# Altium PCB PCB1.PcbDoc
Units mil, origin at the board's own origin, x right, y up, seen from the top; angles counter-clockwise.
Board outline 3384.97 x 2322.04 mil, 2 copper layers (Top Layer, Bottom Layer); 54 components, 38 nets, 165 pads, 33 vias.
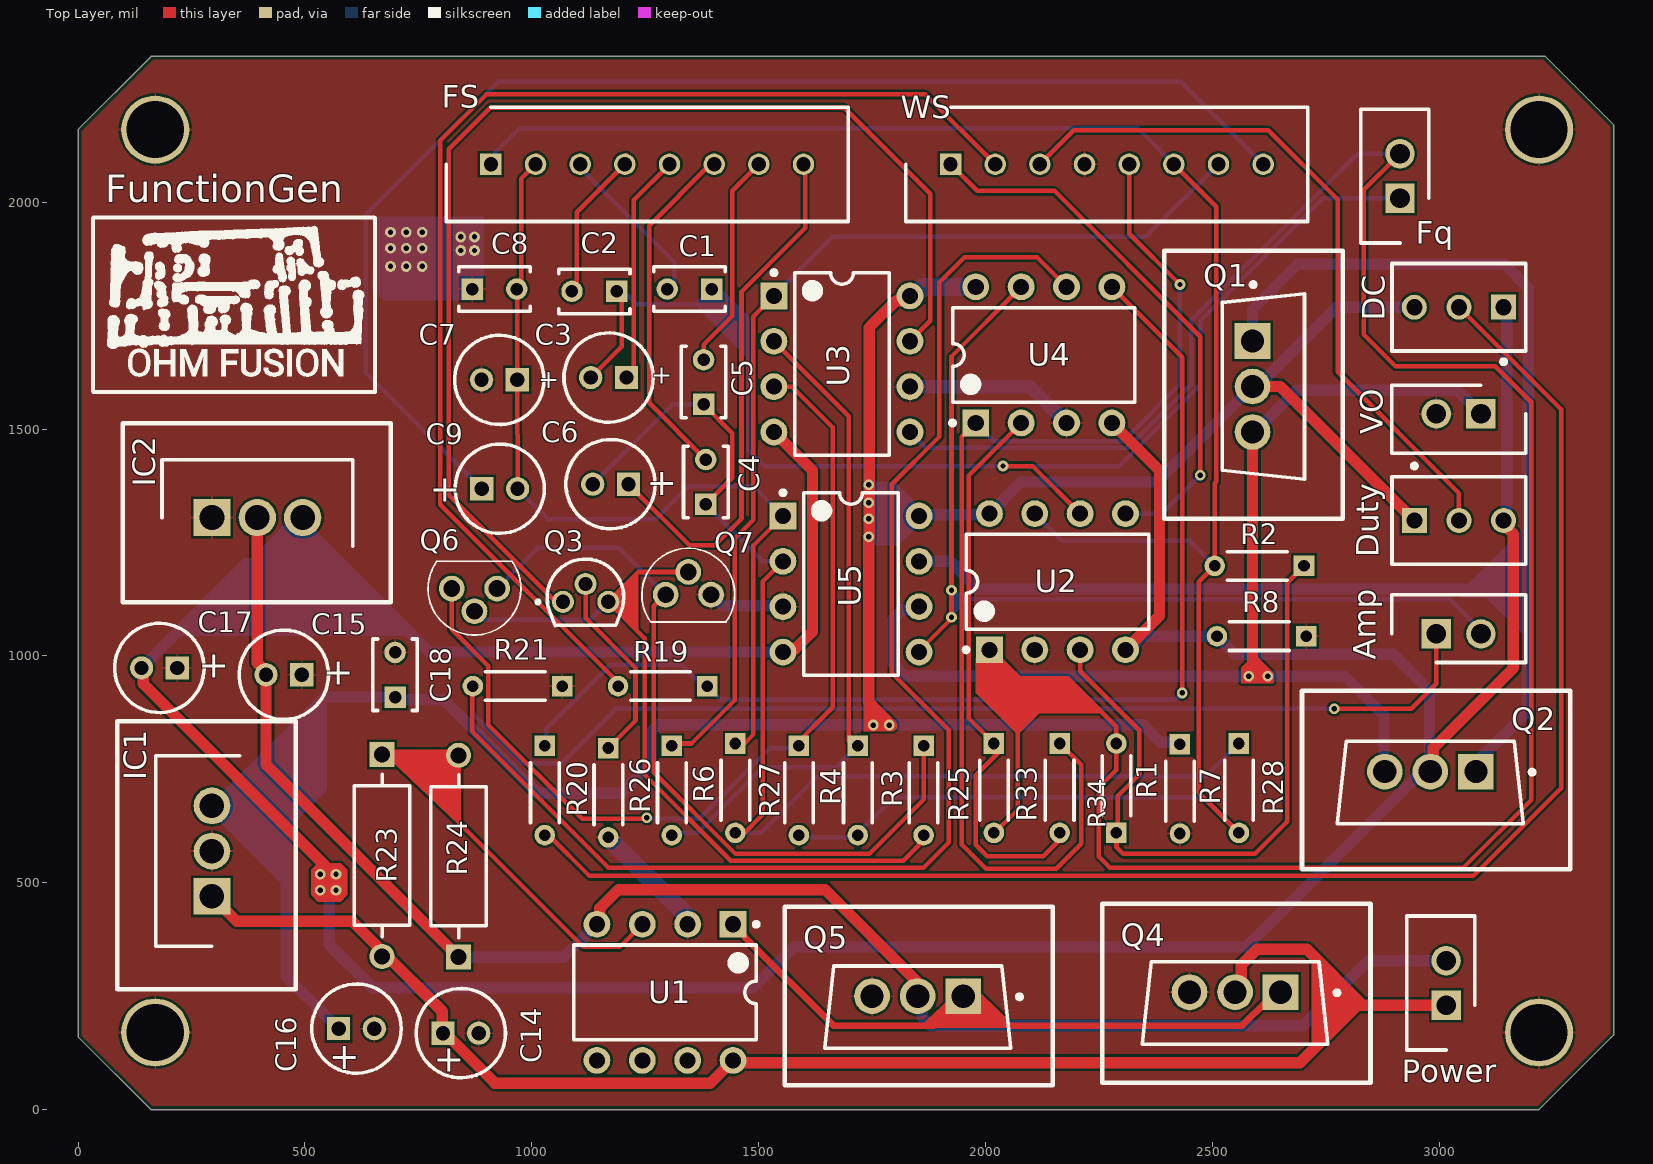
[diagram p0: Top Layer view]
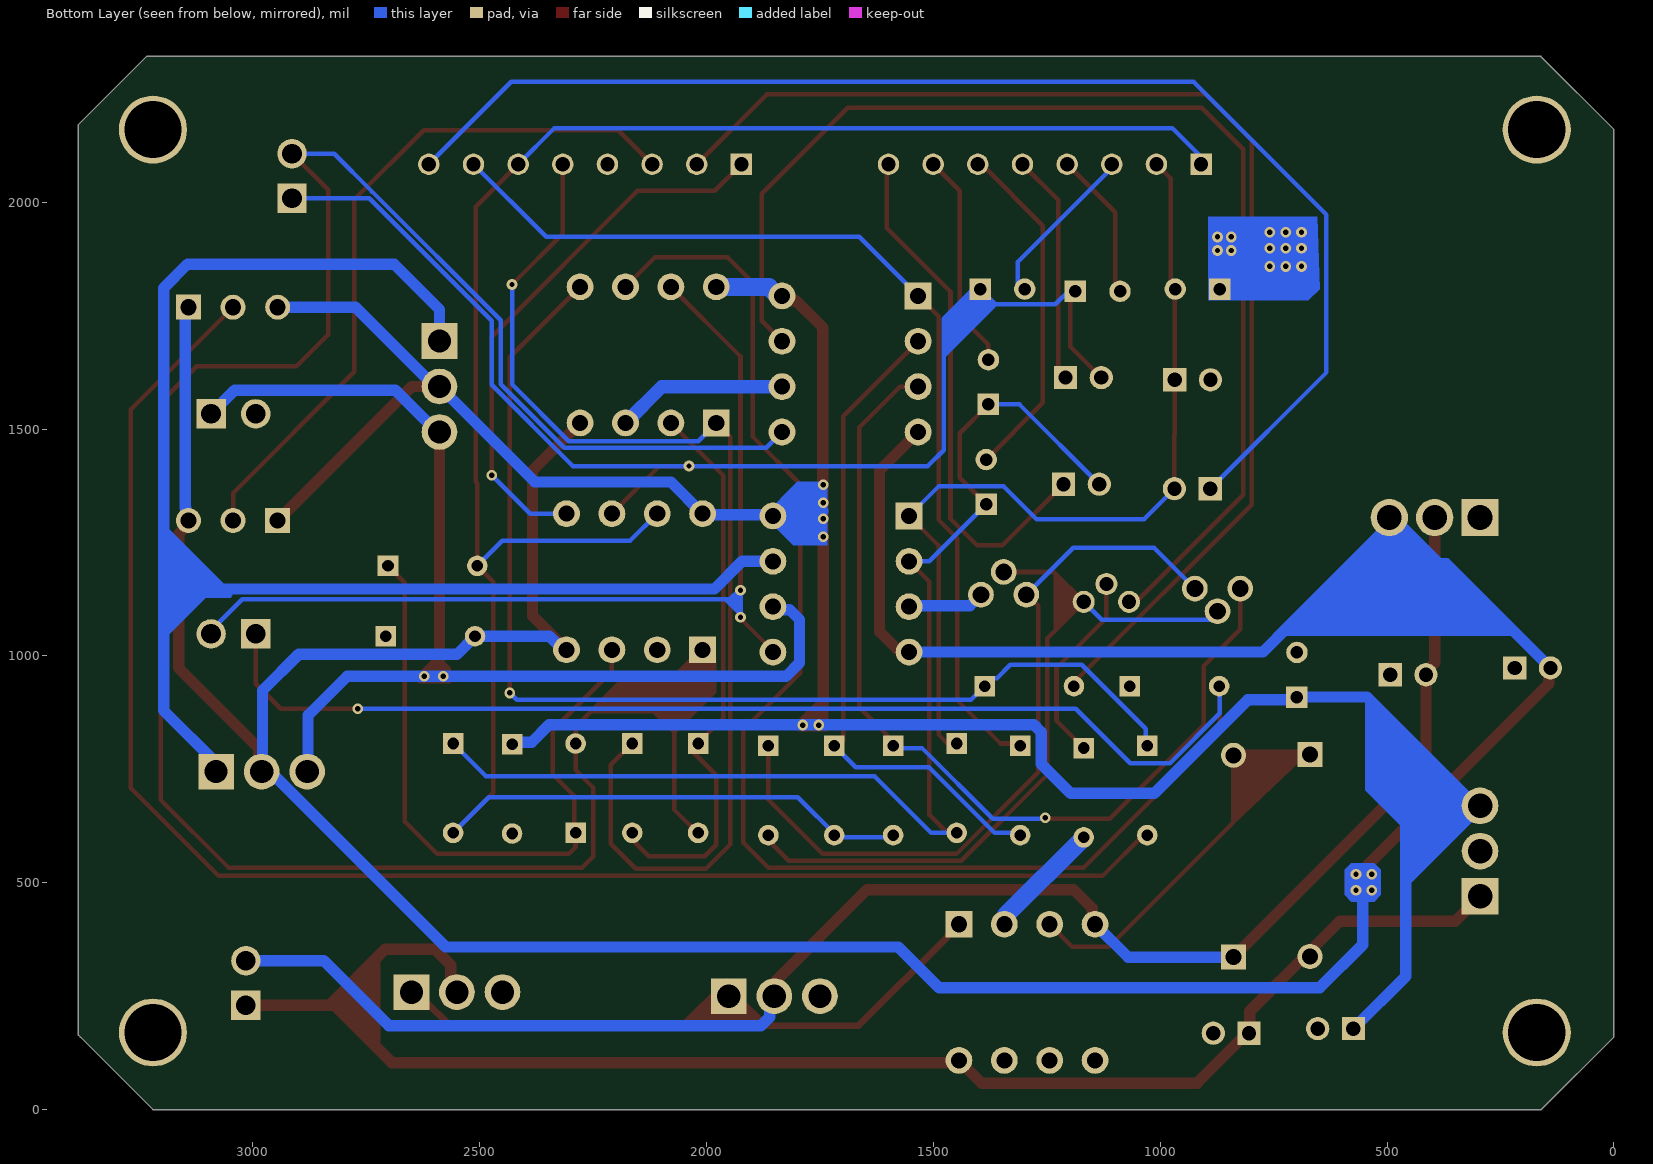
[diagram p1: Bottom Layer view, seen from below]
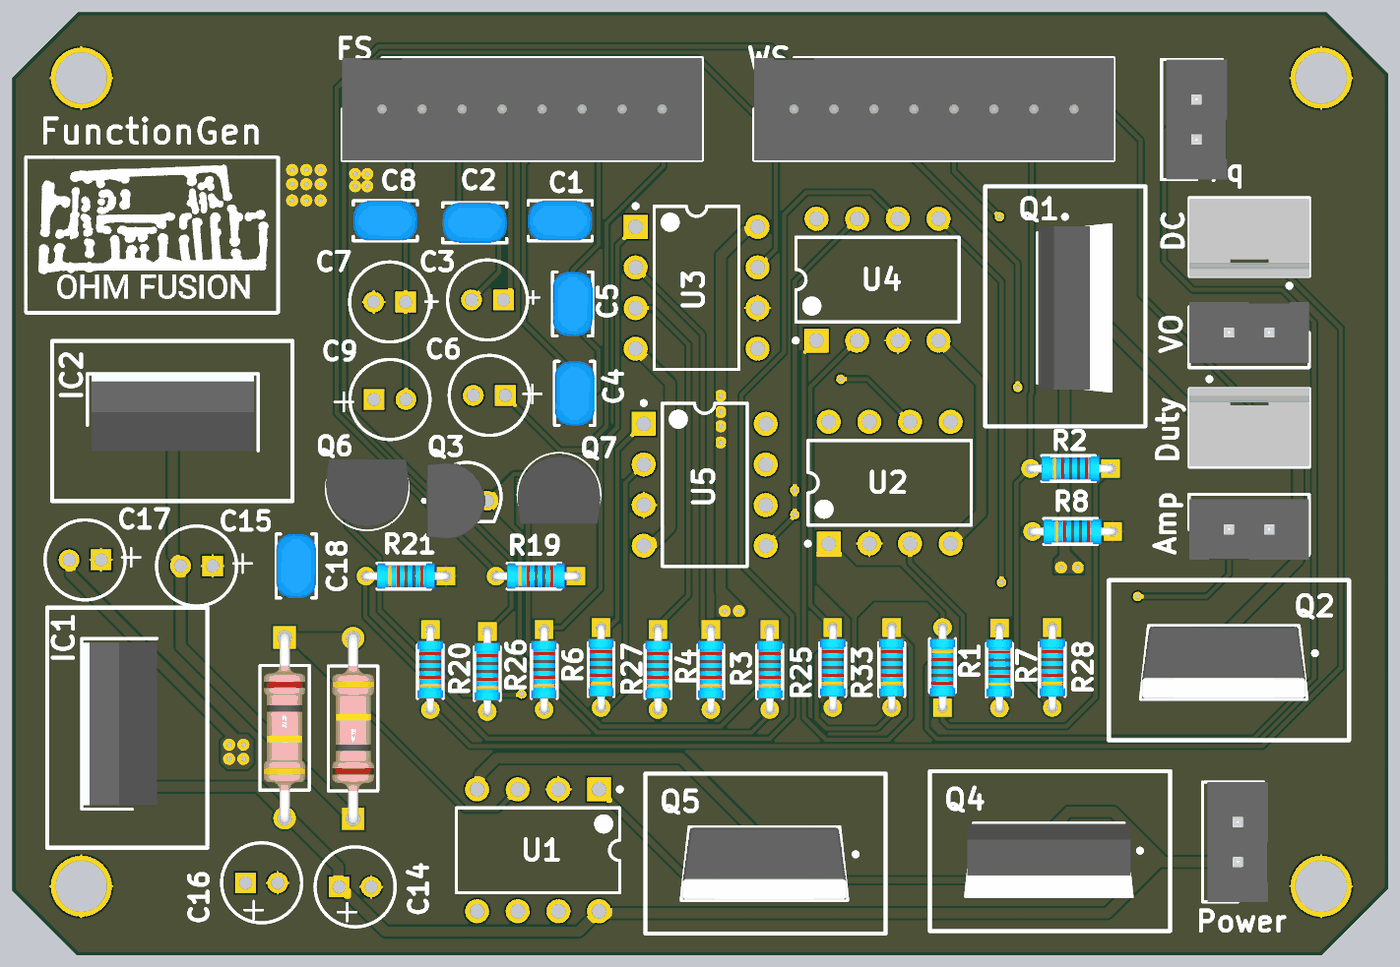
[diagram p2: 3D render of the assembled board from above, using the file's embedded part models]

## Layer stack, top to bottom
Top Solder: solder mask 0.4, Solder Resist, Dk 3.5
Top Layer: signal copper 1.4
Dielectric 1: dielectric 12.6, FR-4, Dk 4.8
Bottom Layer: signal copper 1.4
Bottom Solder: solder mask 0.4, Solder Resist, Dk 3.5

## Board outline
0,160 160,0 3220,0 3380,160 3384.97,164.95 3384.97,2170.03 3232.96,2322.04 160.89,2322.04 160,2320 0,2160

## Design rules (kind name [scope] priority, off if disabled: settings)
BoardOutlineClearance [All] p1: gap=7.87 ignorepadtopadclearanceinfootprint=FALSE
Clearance [All] p1: gap=5 ignorepadtopadclearanceinfootprint=FALSE except(9.84: Arc-Hole Track-Hole SMDPad-Hole THPad-Hole Via-Hole Fill-Hole Poly-Hole Region-Hole Text-Hole)
ComponentClearance [All] p1: gap=5 collisioncheckmode=3 verticalgap=5 showdistances=TRUE
DiffPairsRouting [All] p1: maxlimit=10 minlimit=5 mostfreqgap=5 toplayer_minwidth=5 toplayer_maxwidth=1000 toplayer_prefwidth=5 bottomlayer_minwidth=5 bottomlayer_maxwidth=1000 bottomlayer_prefwidth=5 maxuncoupledlength=500
Height [All] p1: minheight=0 maxheight=71497.94 prefheight=500
HoleSize [All] p1: absolutevalues=TRUE maxlimit=248.03 minlimit=11.81 maxpercent=80.000 minpercent=20.000
HoleToHoleClearance [All] p1: gap=9.84 allowstackedmicrovias=FALSE
MinimumAnnularRing [All] p1: minimumring=3
MinimumSolderMaskSliver [All] p1: minsoldermaskwidth=0
PlaneClearance [All] p1: clearance=5
PlaneConnect PlaneConnectPowerPads [InPadClass('PowerPads')] p1: planeconnectstyle=Direct reliefexpansion=20 reliefentries=4 reliefconductorwidth=10 reliefairgap=10
PlaneConnect [All] p2: pad.planeconnectstyle=Relief pad.reliefexpansion=11.81 pad.reliefentries=4 pad.reliefconductorwidth=5 pad.reliefairgap=5 via.planeconnectstyle=Direct via.reliefexpansion=11.81 via.reliefentries=4 via.reliefconductorwidth=5 via.reliefairgap=5
PolygonConnect PolygonConnectPowerPads [All vs (InPadClass('PowerPads'))] p1: connectstyle=Direct reliefconductorwidth=10 reliefentries=4 polygonreliefangle="90 Angle" airgapwidth=10
PolygonConnect [All] p2: thpad.connectstyle=Relief thpad.reliefconductorwidth=5 thpad.reliefentries=4 thpad.polygonreliefangle="90 Angle" thpad.airgapwidth=5 smdpad.connectstyle=Relief smdpad.reliefconductorwidth=5 smdpad.reliefentries=4 smdpad.polygonreliefangle="90 Angle" smdpad.airgapwidth=5 via.connectstyle=Direct via.reliefconductorwidth=5 via.reliefentries=4 via.polygonreliefangle="90 Angle" via.airgapwidth=5
RoutingVias [All] p1: holewidth=11.81 width=23.62 viastyle="Through Hole" minholewidth=11.81 minwidth=23.62 maxholewidth=23.62 maxwidth=259.84
SilkToSilkClearance [All] p1: silktosilkclearance=0
SilkToSolderMaskClearance [IsPad] p1: minsilkscreentomaskgap=5 clearancetoexposedcopper=TRUE
SolderMaskExpansion [All] p1: expansion=2.95 istentingtop=FALSE
Width [All] p1: maxlimit=1000 minlimit=5 preferedwidth=5 minimp=50.000000 maximp=50.000000 favimp=50.000000
20 further rules are at their usual default settings.

## Components (designator, comment, footprint, x,y, rotation, side; value= is the part's Value field where it differs from the comment)
Amp "B2B-EH-A" SHDR2W64P0X250_1X2_750X380X600P 2993.52,1048.52 r0 top
C1 "RCER72A104K1A2H03B" FP-RCE1A2-MFG 1347.73,1808.52 r180 top
C2 "RCER72A104K1A2H03B" FP-RCE1A2-MFG 1137.73,1803.52 r180 top
C3 "ECA1HM220" CAPPR55-200-1100X500X1200 1169.15,1613.52 r180 top
C4 "RCER72A104K1A2H03B" FP-RCE1A2-MFG 1383.52,1383.52 r90 top
C5 "RCER72A104K1A2H03B" FP-RCE1A2-MFG 1378.52,1603.52 r90 top
C6 "ECA1HM220" CAPPR55-200-1100X500X1200 1173.52,1378.52 r180 top
C7 "ECA1HM220" CAPPR55-200-1100X500X1200 928.52,1608.52 r180 top
C8 "RCER72A104K1A2H03B" FP-RCE1A2-MFG 917.73,1808.52 r0 top
C9 "ECA1HM220" CAPPR55-200-1100X500X1200 929.15,1368.52 r0 top
C14 "ECA1HM220" CAPPR55-200-1100X500X1200 843.52,168.52 r0 top
C15 "ECA1HM220" CAPPR55-200-1100X500X1200 453.52,958.52 r180 top
C16 "ECA1HM220" CAPPR55-200-1100X500X1200 613.52,178.52 r0 top
C17 "ECA1HM220" CAPPR55-200-1100X500X1200 179.15,973.52 r180 top
C18 "RCER72A104K1A2H03B" FP-RCE1A2-MFG 698.52,958.52 r90 top
DC "171825-3" TECO-171825-3_V 3043.52,1768.52 r180 top
Duty "171825-3" TECO-171825-3_V 3043.52,1298.52 r0 top
Fq "B2B-EH-A" SHDR2W64P0X250_1X2_750X380X600P 2913.52,2008.52 r90 top
FS "B08B-XASK-1__LF__SN_" SHDR8W60P0X250_1X8_2250X640X880P 909.82,2083.52 r180 top
IC1 "LM7812CT" TO254P470X1016X2019-3P 295,470 r90 top
IC2 "LM7912CT" TO254P483X1016X2261-3P 295,1305 r0 top
Power "B2B-EH-A" SHDR2W64P0X250_1X2_750X380X600P 3015.09,229.88 r90 top
Q1 "TIP31C" FP-TO-220-P0A0015988-MFG 2612.44,1593.91 r0 top
Q2 "TIP32C" FP-TO-220-P0A0015988-MFG 2980.39,721.08 r270 top
Q3 "2N3906" 2N5457 1068.52,1119.15 r0 top
Q4 "TIP31C" FP-TO-220-P0A0015988-MFG 2550,235 r270 top
Q5 "TIP32C" FP-TO-220-P0A0015988-MFG 1850.39,226.08 r270 top
Q6 "2N7000" TO-92_(TO-226) 923.52,1148.52 r0 top
Q7 "2N7000" TO-92_(TO-226) 1295,1135 r180 top
R1 "" FP-MRS1600-MFG 2288.52,708.52 r90 top
R2 "" FP-MRS1600-MFG 2603.52,1198.52 r180 top
R3 "" FP-MRS1600-MFG 1718.52,703.52 r270 top
R4 "" FP-MRS1600-MFG 1588.52,703.52 r270 top
R6 "" FP-MRS1600-MFG 1308.52,703.52 r270 top
R7 "" FP-MRS1600-MFG 2428.52,706.95 r270 top
R8 "" FP-MRS1600-MFG 2608.52,1043.52 r180 top
R19 "" FP-MRS1600-MFG 1288.52,933.52 r180 top
R20 "" FP-MRS1600-MFG 1028.52,703.52 r270 top
R21 "" FP-MRS1600-MFG 968.52,933.52 r180 top
R23 "RR01J100KTB" FP-RR01-MFG 670,560 r270 top
R24 "RR01J100KTB" FP-RR01-MFG 838.52,558.52 r90 top
R25 "" FP-MRS1600-MFG 1863.52,703.52 r270 top
R26 "" FP-MRS1600-MFG 1168.52,698.52 r270 top
R27 "" FP-MRS1600-MFG 1448.52,708.52 r270 top
R28 "" FP-MRS1600-MFG 2558.52,708.52 r270 top
R33 "" FP-MRS1600-MFG 2018.52,708.52 r270 top
R34 "" FP-MRS1600-MFG 2163.52,708.52 r270 top
U1 "TL072CP" P0008A 1293.52,258.52 r270 top
U2 "TL072CP" P0008A 2158.52,1163.52 r90 top
U3 "TL072CP" P0008A 1683.52,1643.52 r0 top
U4 "TL072CP" P0008A 2128.52,1663.52 r90 top
U5 "TL072CP" P0008A 1703.52,1158.52 r0 top
VO "B2B-EH-A" SHDR2W64P0X250_1X2_750X380X600P 3091.94,1533.52 r180 top
WS "B08B-XASK-1__LF__SN_" SHDR8W60P0X250_1X8_2250X640X880P 1922.97,2083.52 r180 top

## Footprints (in the part's own frame and the unit in brackets; to place one, negate y for a bottom-side part, rotate by r counter-clockwise, add the part's x,y. Pads: shape width x height; smd on the part's side, far side on the other; paste and mask are expansions set on the pad)
2N5457 [mm]
  round 1.23 hole 0.8: 1(0,0) 2(1.27,1) 3(2.54,0)
  silkscreen extent -1.5,-1.33 3.41,2.4, body extent -1.27,-2.41 2.41,2.41, height 2.67
CAPPR55-200-1100X500X1200 [mm] "THD, 2-Leads, Dia 5mm, Body Length 11mm"
  rect 1.3x1.3 hole 0.8: 1(-1,0)
  round 1.3 hole 0.8: 2(1,0)
  silkscreen extent -2.5,-2.5 2.5,2.5, body extent -2.5,-2.5 2.5,2.5, height 12
FP-MRS1600-MFG [mm]
  rect 1.15x1.15 hole 0.65 paste-1000 mask+0: 1(-2.5,0)
  round 1.15 hole 0.65 paste-1000 mask+0: 2(2.5,0)
  silkscreen extent -1.55,-0.8 1.8,0.8, body extent -3.17,-0.9 3.17,0.9, height 0.25
FP-RCE1A2-MFG [mm]
  rect 1.2x1.2 hole 0.7 paste-1000 mask+0: 1(-1.25,0)
  round 1.2 hole 0.7 paste-1000 mask+0: 2(1.25,0)
  silkscreen extent -2,-1.25 2,1.25, body extent -2.1,-1.35 2.1,1.35, height 0.25
FP-RR01-MFG [mm]
  rect 1.4x1.4 hole 0.9 paste-1000 mask+0: 1(-5.65,0)
  round 1.4 hole 0.9 paste-1000 mask+0: 2(5.65,0)
  silkscreen extent -4.55,-1.55 4.55,1.55, body extent -6.45,-1.65 6.45,1.65, height 0.25
FP-TO-220-P0A0015988-MFG [mm]
  rect 2x2 hole 1.3 paste-1000 mask+0: 1(-0.607,2.55)
  round 2 hole 1.3 paste-1000 mask+0: 2(-0.607,0) 3(-0.607,-2.55)
  silkscreen extent -2.3,-5.2 2.3,5.82, body extent -2.4,-5.3 2.4,5.3, height 0.25
P0008A [mm] "DIP, 8-Leads, Body 10.15x6.6mm, Pitch 2.54mm"
  rect 1.5x1.5 hole 0.9: 1(-3.81,3.81)
  round 1.5 hole 0.9: 2(-3.81,1.27) 3(-3.81,-1.27) 4(-3.81,-3.81) 5(3.81,-3.81) 6(3.81,-1.27) 7(3.81,1.27) 8(3.81,3.81)
  silkscreen extent -3.93,-5.1 2.65,5.24, body extent -3.95,-5.07 3.95,5.07, height 5.08
SHDR2W64P0X250_1X2_750X380X600P [mm]
  rect 1.65x1.65 hole 1.1: 1(0,0)
  round 1.65 hole 1.1: 2(2.5,0)
  silkscreen extent -2.5,-1.6 5,2.2, body extent -2.5,-1.9 5,1.9, height 6
SHDR8W60P0X250_1X8_2250X640X880P [mm]
  rect 1.2x1.2 hole 0.8: 1(0,0)
  round 1.2 hole 0.8: 2(-2.5,0) 3(-5,0) 4(-7.5,0) 5(-10,0) 6(-12.5,0) 7(-15,0) 8(-17.5,0)
  silkscreen extent -20,-3.2 2.5,3.2, body extent -20,-3.2 2.5,3.2, height 8.8
TECO-171825-3_V [mm] "Connector, 3-Leads, Body 4.9x7.5mm, Pitch 2.5mm"
  rect 1.4x1.4 hole 0.9: 1(-2.5,0)
  round 1.4 hole 0.9: 2(0,0) 3(2.5,0)
  silkscreen extent -3.75,-2.45 3.75,3.17, body extent -3.75,-2.4 3.75,2.5, height 10.4
TO254P470X1016X2019-3P [mm]
  rect 2.055x2.055 hole 1.37: 1(0,0)
  round 2.055 hole 1.37: 2(2.535,0) 3(5.07,0)
  silkscreen extent -2.8,-1.55 7.87,3.15, body extent -2.55,-1.55 7.61,3.15, height 18.54
TO254P483X1016X2261-3P [mm]
  rect 2.085x2.085 hole 1.39: 1(0,0)
  round 2.085 hole 1.39: 2(2.54,0) 3(5.08,0)
  silkscreen extent -2.8,-1.61 7.88,3.22, body extent -2.54,-1.61 7.62,3.22, height 21.59
TO-92_(TO-226) [mm]
  round 1.44 hole 0.94: 1(0,0) 2(-1.27,-1.27) 3(-2.54,0)
  silkscreen extent -3.87,-2.6 1.33,1.53, body extent -3.87,-2.35 1.33,1.84, height 6.43

## Part data
Amp Fq Power VO: "Connector", Manufacturer_Name="JST (JAPAN SOLDERLESS TERMINALS)", Datasheet Link=http://www.jst-mfg.com/product/pdf/eng/eEH.pdf, Height=6mm, Manufacturer_Part_Number=B2B-EH-A
C1 C2 C4 C5 C8 C18: library part CMP-06035-023167-1, "Cap Ceramic 100nF 100V X7R ±10% Radial 2.5mm +125°C Automotive Bulk", Capacitance=100nF, Case/Package=Radial, Dielectric=X7R, Max Operating Temperature=125°C, Min Operating Temperature=-55°C, Package Quantity=500, Ratings=AEC-Q200, Resistor Type=Ceramic, Tolerance=10%, Voltage Rating=100V, Height=3.5mm, Height - Seated (Max)=0.138inch, Lead Diameter=0.5mm, Lead Free="Lead Free", Lead Pitch=0.098inch, Lead/Base Style=Straight, Length=0.157inch, Mount="Through Hole", Packaging=Bulk, Termination=Radial, Voltage Rating (DC)=100V, Width=0.098inch
C3 C6 C7 C9 C14 C15 C16 C17: library part CMP-1665-00036-2, "Aluminum Electrolytic Capacitor, 22 uF, +/- 20%, 50 V, -40 to 85 degC, 2-Pin THD, RoHS, Bulk", Capacitance=22uF, Case/Package=Radial, Leakage Current=3uA, Manufacturer=Panasonic, Max Operating Temperature=85degC, Min Operating Temperature=-40degC, Package Description="2-Pin Radial Lead, Dia 5 mm, Height 12 mm", Package Quantity=200, Package Reference=CAPPR55-200-1100X500X1200, Ripple Current=100mA, Tolerance=20%, Voltage=50V, Datasheet URL=https://industrial.panasonic.com/cdbs/www-data/pdf/RDF0000/ABA0000C1218.pdf, Datasheet Version="Rev. 05, 10/2016", Diameter=5mm, Dissipation Factor=0.12%, Height=11mm, Height - Seated (Max)=0.472inch, Lead Diameter=0.5mm, Lead Pitch=2mm, Lead/Base Style=Straight, Length=11mm, Life (Hours)=2000Hour, Manufacturer URL=http://www.panasonic.com/, Mount=ThroughHole, Packaging=Bulk, Radiation Hardening=No, REACH SVHC=NoSVHC, Ripple Current (AC)=100mA, RoHSCompliant=true, Termination=Radial, Voltage Rating=50V, Voltage Rating (DC)=50V
DC Duty: library part CMP-2000-07494-1, "Male Header, Pitch 2.5 mm, 1 x 3 Position, Height 10.4 mm, Tail Length 3.6 mm,  / -20 to 95 degC / , RoHS, Bulk", Colour=Natural, Contact Resistance=20mOhm, Flammability Rating=UL94V-0, Manufacturer="TE Connectivity", Max Current Rating=3.5A, Max Operating Temperature=95degC, Max Voltage Rating (AC)=250V, Max Voltage Rating (DC)=350.25kV, Min Operating Temperature=-20degC, Package Description="Male Header, Pitch 2.5 mm, 1 x 3 Position, Height 10.4 mm, Tail Length 3.6 mm", Package Quantity=1000, Voltage Rating=350V, Approvals=UL, Backwall/Post Interruptions=No(Without), Connector Type=Header, Contact Gender=Male, Contact Material=Brass, Contact Mating Length=0.295inch, Contact Plating=Tin, Contact Retention=No(Without), Contact Shape=Square, Datasheet URL=http://www.te.com/commerce/DocumentDelivery/DDEController?Action=showdoc&DocId=Customer+Drawing%7F171825%7FY3%7Fpdf%7FEnglish%7FENG_CD_171825_Y3.pdf%7F171825-3, Datasheet Version="Rev. Y3, 12/2016", Depth=4.9mm, Height=0.409inch, Housing Colour=Natural, Housing Material=Nylon, Length=7.5mm, Manufacturer URL=http://www.te.com/, Mating Alignment=Yes(With), Mating Post Length=7.5mm, Mating Retention=Yes(With), Mount=ThroughHole, Mounting Technology=ThroughHole, Number of Contacts=3, Number of Positions=3, Number of Rows=1, Orientation=Straight, Package Reference=171825-3, Packaging=Bag, Panel Mount Retention=No(Without), PCB Mount Alignment=No(Without), PCB Mount Retention=Without, PCB Mounting Orientation=Vertical, PCB Thickness=0.063inch, Pitch=2.5mm, Plating Thickness=0.8um, REACH SVHC=NoSVHC, RoHSCompliant=True, Strain Relief=No(Without), Tail Length=0.142inch, Termination=Solder
FS WS: "Connector", Manufacturer_Name="JST (JAPAN SOLDERLESS TERMINALS)", Manufacturer_Part_Number="B08B-XASK-1 (LF)(SN)", Datasheet Link=http://uk.rs-online.com/web/p/products/1667521, Height=8.8mm
IC1: "Integrated Circuit", Manufacturer_Name=onsemi, Mouser Part Number=512-LM7812CT, Arrow Part Number=LM7812CT, Arrow Price/Stock=https://www.arrow.com/en/products/lm7812ct/on-semiconductor, Datasheet Link=https://datasheet.datasheetarchive.com/originals/distributors/Datasheets_SAMA/704b005d7d2d9ced5864f40b6609c1bc.pdf, Height=4.7mm, Manufacturer_Part_Number=LM7812CT, Mouser Price/Stock=https://www.mouser.co.uk/ProductDetail/ON-Semiconductor-Fairchild/LM7812CT?qs=VOMQJJE%252BBNkfAU1Xmn60XA%3D%3D
IC2: "Power Supply", Manufacturer_Name=onsemi, Mouser Part Number=512-LM7912CT, Arrow Part Number=LM7912CT, Arrow Price/Stock=https://www.arrow.com/en/products/lm7912ct/on-semiconductor, Datasheet Link=https://componentsearchengine.com/Datasheets/2/LM7912CT.pdf, Height=4.83mm, Manufacturer_Part_Number=LM7912CT, Mouser Price/Stock=https://www.mouser.com/Search/Refine.aspx?Keyword=512-LM7912CT
Q1 Q4: library part CMP-12195-000001-1, "TRANS NPN 100V 3A TO-220", Collector Base Voltage=100V, Collector Emitter Saturation Voltage=1.2V, Emitter Base Voltage=5V, Manufacturer=STMicroelectronics, Max Collector Current=3A, Max Junction Temp=+150°C, Package=TO-220-P0A0015988, Power Dissipation=2W, Temperature="to +150°C", Automotive=No, Category=Trans, Collector Emitter Voltage=100V, ComponentLink2Description=Datasheet, ComponentLink2URL=https://www.st.com/resource/en/datasheet/tip31c.pdf, Device Class L1="Discrete Semiconductors", Device Class L2=Transistors, Device Class L3=BJTs, Digikey Description="TRANS NPN 100V 3A TO-220", Height=19.68mm, Hfe Max=50, Hfe Min=10, Hfe Testic=3A, Hfe Testvce=4V, Lead Free=Yes, Manufacturer Part Number=TIP31C, Mouser Description="Bipolar Transistors - BJT NPN Gen Pur Power", Number of Elements=1, Number Of Npn=1, Octopart=https://octopart.com/tip31c-stmicroelectronics-15555, RoHS=TRUE, Standoff Height=3.5mm, Temperature Range High=+150°C
Q2 Q5: library part CMP-12195-000005-1, "TRANS PNP 100V 3A TO-220", Collector Base Voltage=-100V, Collector Emitter Saturation Voltage=-1.2V, Emitter Base Voltage=-5V, Manufacturer=STMicroelectronics, Max Collector Current=-3A, Max Junction Temp=+150°C, Package=TO-220-P0A0015988, Power Dissipation=2W, Temperature="to +150°C", Automotive=No, Category=Trans, Collector Emitter Voltage=-100V, ComponentLink2Description=Datasheet, ComponentLink2URL=https://www.st.com/resource/en/datasheet/tip32c.pdf, Device Class L1="Discrete Semiconductors", Device Class L2=Transistors, Device Class L3=BJTs, Digikey Description="TRANS PNP 100V 3A TO-220", Height=19.68mm, Hfe Max=50, Hfe Min=10, Hfe Testic=-3A, Hfe Testvce=-4V, Lead Free=Yes, Manufacturer Part Number=TIP32C, Mouser Description="Original ST Microelectronics Transistor, 100V, 3A, .22 Ohm, TO-220 Package", Number of Elements=1, Number Of Pnp=1, Octopart=https://octopart.com/tip32c-stmicroelectronics-353617, RoHS=TRUE, Standoff Height=3.5mm, Temperature Range High=+150°C
Q3: "Transistor BJT PNP", Manufacturer_Name="Central Semiconductor", Mouser Part Number=610-2N3906, Datasheet Link=http://www.mouser.com/datasheet/2/68/2n3905-29545.pdf, Height=5.33mm, Manufacturer_Part_Number=2N3906, Mouser Price/Stock=https://www.mouser.com/Search/Refine.aspx?Keyword=610-2N3906
Q6 Q7: "MOSFET (N-Channel)", Manufacturer_Name=onsemi, Mouser Part Number=512-2N7000, Arrow Part Number=2N7000, Arrow Price/Stock=https://www.arrow.com/en/products/2n7000/on-semiconductor?region=europe, Datasheet Link=http://www.onsemi.com/pub/Collateral/NDS7002A-D.PDF, Height=5.33mm, Manufacturer_Part_Number=2N7000, Mouser Price/Stock=https://www.mouser.co.uk/ProductDetail/onsemi-Fairchild/2N7000?qs=FOlmdCx%252BAA2o%2FKZOTk%2F3hg%3D%3D
R1 R2 R3 R4 R6 R7 R8 R19 R20 R21 R25 R26 R27 R28 R33 R34: library part CMP-02408-000019-1, "RES 20K OHM 0.4W 1% AXIAL", Case/Package=Conformal, Max Operating Temperature=155°C, Max Power Dissipation=400mW, Min Operating Temperature=-55°C, Resistance=20kR, Resistor Type="Metal Film", Temperature Coefficient=50ppm/°C, Tolerance=1%, Construction=Cylindrical, Contact Plating=Tin, Diameter=1.6mm, Length=3.6mm, Military Standard=Not, Mount="Through Hole", Number of Terminations=2, Packaging="Tape and Reel", Power Rating=400mW, Radiation Hardening=No, RoHS Compliant=Yes, Series=MRS16, Technology="THIN FILM", Termination=Axial
R23 R24: library part CMP-03212-000008-1, "RES 100K OHM 5% 1W AXIAL", Case/Package=Metal, Max Operating Temperature=155°C, Min Operating Temperature=-55°C, Number of Resistors=1, Package Quantity=5000, Power Rating=1W, Resistance=100kR, Resistor Type="Power resistor", Temperature Coefficient=300ppm/°C, Tolerance=5%, Voltage Rating=350V, Diameter=2.6mm, ELV=Compliant, Length=6.8mm, Mount=Axial, Number of Terminations=2, Packaging="Ammo Pack", RoHS Compliant=Yes, Series=RR, Termination=Axial
U1 U2 U3 U4 U5: library part CMP-0017-00950-2, "Dual Low-Noise JFET-Input General-Purpose Operational Amplifier, 7 to 36 V, 0 to 70 degC, 8-pin DIP (P8), Pb-Free (RoHS)", Manufacturer="Texas Instruments", Rating=Catalog, Total Supply Voltage(Max)(+5V is 5, +/-5V is 10)=36, Total Supply Voltage(Min)(+5V is 5, +/-5V is 10)=7, CMRR(Min)(dB)=70, Code_JEDEC=MS-001, ComponentLink1Description="Manufacturer URL", ComponentLink1URL=http://www.ti.com/, ComponentLink2Description=Datasheet, ComponentLink2URL=http://www.ti.com/lit/ds/symlink/tl072.pdf, ComponentLink3Description="Package Specification", ComponentLink3URL=http://www.ti.com/litv/pdf/mpdi001b, DatasheetVersion=SLOS080J, Eco-Plan="Pb-Free (RoHS)", GBW(Typ)(MHz)=3, IIB(Max)(pA)=200, Iq per channel(Max)(mA)=2.5, Mounting Technology="Through Hole", Number of Channels=2, Offset Drift(Typ)(uV/C)=18, PackageDescription="8-Pin Plastic In-Line, Body 9.59 x 6.35 mm, Pitch 2.54 mm", PackageReference=P0008A, PackageVersion="4040082/E, 04/2010", PartNumber=TL072CP, Slew Rate(Typ)(V/us)=13, Sub Family="General Purpose Amplifier, High Supply Voltage Amplifier (>=30V)", Vio (25C)(Max)(mV)=10, Vn at 1kHz(Typ)(nV/rtHz)=18

## Free pads (board coordinates)
  round 150 hole 125.98: 1(170,2160) 2(170,170) 3(3220,2160) 4(3220,170)

## Via types
v1: diameter 23.62, hole 11.81, Top Layer to Bottom Layer, 33 vias

## Nets (pads, with @x,y where several pads share a name; then routed paths per layer and width w, separated by ;. In a path a pad name is that pad's centre, name@x,y a point inside that pad or via, vN(x,y) a via of type N, cw(c..) or ccw(c..) an arc to the next point about the centre after c; other vN are vias at no path point)
+VCC: C16.1 C18.1 DC.3 Duty.1 IC1.3 Q1.2 R7.1 U2.8 U3.8 U4.8 U5.8 | length 6195.5
  Top Layer w10: DC.3@2935.09,1758.52 DC.3@2938.52,1755.09 ; Duty.1@2938.52,1316.67 Duty.1@2956.67,1298.52
  Top Layer w25: v1(1742.6,1262.58) 1742.6,897.09 v1@1793.52,846.17 ; v1@1743.52,1262.58 1743.52,1302.58 1743.52,1337.58 1743.52,1377.58 1743.52,1723.52 1803.18,1783.18 1823.18,1783.18 U3.8 ; Q1.2 2649.7,1593.91 Duty.1
  Bottom Layer w25: C16.1 458.52,294.15 458.52,641.53 443.87,656.18 337.6,656.18 334.86,658.91 293.91,658.91 291.18,656.18 544.31,909.31 C18.1 ; C18.1@703.52,903.52 806.7,903.52 1012.82,697.4 1197.4,697.4 1262.4,762.4 1262.4,832.4 1278.52,848.52 1752.6,848.52 v1@1791.17,848.52 ; 1743.52,1318.52 1803.52,1318.52 1804.31,1317.72 1844.31,1317.72 U5.8 1856.02,1311.02 2006.02,1311.02 U2.8 2078.52,1383.52 2378.12,1383.52 Q1.2 2598.91,1593.91 2773.52,1768.52 DC.3 ; v1@1793.52,848.52 2346.48,848.52 2384.92,810.08 2420.38,810.08 R7.1@2421.02,809.45
  Bottom Layer w40: U3.8 1842.73,1793.52 1862.73,1813.52 U4.8
  other v1: 1752.6,847.58 1787.6,847.58 1742.6,1302.58 1742.6,1337.58 1742.6,1377.58
-VCC: C17.2 DC.1 Duty.3 IC2.3 Q2.2 R8.2 U2.4 U3.4 U4.4 U5.4 | length 8228.7
  Top Layer w25: C17.2 143.76,969.54 143.76,938.28 553.52,528.52 553.52,488.52 ; IC2.3@502.98,1277.98 IC2.3@503.52,1278.52 ; U3.4 1618.52,1408.52 1618.52,1053.52 1580.04,1015.04 1560.04,1015.04 U5.4 ; U4.4 2383.52,1408.52 2383.52,1088.52 U2.4 ; Q2.2@2979.66,762.44 2987.05,769.82 2987.05,797.05 3163.52,973.52 3163.52,1268.82 3147.72,1284.62 3147.72,1290.81 Duty.3@3152.72,1295.81
  Bottom Layer w10: DC.1@3131.95,1758.52 DC.1@3148.52,1741.95
  Bottom Layer w25: C17.2 289.32,1123.06 328.06,1123.06 495,1290 IC2.3 ; IC2.3@503.52,1278.52 773.52,1008.52 U5.4 ; 553.52,488.52 553.52,363.52 648.52,268.52 1487.23,268.52 1577.23,358.52 2574.6,358.52 2978.52,762.44 2978.52,923.52 2898.52,1003.52 2736.97,1003.52 2736.83,1003.38 2550.23,1003.38 R8.2 2346.3,1043.52 2316.3,1013.52 U2.4 ; Duty.3 3147.71,1304.28 3147.71,1325.58 3148.52,1326.39 DC.1@3148.52,1741.95
  other v1: 533.52,483.52 568.52,483.52 533.52,518.52 568.52,518.52
Buff_Out: Q3.1 U3.7 | length 2633.2
  Top Layer w10: Q3.1 1052.89,1119.15 816.71,1355.33 816.71,2116.71 908.52,2208.52 1688.52,2208.52 1878.52,2018.52 1878.52,1738.52 U3.7
"Duty Control": Duty.2 WS.3 | length 1568.7
  Top Layer w10: WS.3 2194.82,2158.52 2623.52,2158.52 2776.02,2006.02 2776.02,1626.02 3043.52,1358.52 Duty.2
"Fq 1.2k-0.5k": C2.2 FS.4 | length 335.4
  Top Layer w10: C2.2@1099.31,1808.52 1099.31,1977.73 FS.4 ; FS.4@1196.81,2091.81 FS.4@1208.52,2103.52
"Fq 20-0.5k": C3.1 FS.5 | length 502.3
  Top Layer w10: C3.1 1225,1630 1225,2005 FS.5@1298.52,2078.52
"Fq 20k-1.2k": C1.2 FS.3 | length 360.7
  Bottom Layer w10: FS.3 1106.67,2075.37 1313.52,1868.52 C1.2@1313.52,1808.52
GND: C7.2 C8.1 C14.2 C15.1 C16.2 C17.1 C18.2 IC1.2 IC2.1 pad.1 pad.2 pad.3 pad.4 Q4.3 Q5.3 Q7.3 R7.2 R8.1 R21.1 R26.2 U1.2 U2.2 U3.6 U4.3 U5.3 VO.2 WS.4 | length 1270.6
  Bottom Layer w25: 688.52,1873.52 695.28,1873.52 710.28,1858.52 v1(723.52,1858.52) 728.3,1853.74 743.74,1853.74 ; v1(688.52,1933.52) v1(723.52,1933.52) v1(758.52,1933.52) v1(758.52,1898.52) v1(758.52,1858.52) 773.52,1858.52 833.52,1918.52 843.52,1918.52 v1(843.52,1893.52) v1(873.52,1893.52) 868.52,1888.52 C8.1 ; Q7.3 1419.15,1110.85 1551.19,1110.85 U5.3
  Bottom Layer w30: U3.6 2098.52,1593.52 U4.3
  Bottom Layer w40: R26.2@1169.53,599.08 1339.87,428.74 1339.87,412.17 U1.2
  other v1: 688.52,1858.52 688.52,1898.52 723.52,1898.52 843.52,1923.52 873.52,1923.52
NetAmp_1: Amp.1 R21.2 U4.6 | length 5380.4
  Top Layer w10: R21.2@868.52,942.16 868.52,833.52 1168.52,533.52 1863.52,533.52 1918.52,588.52 1918.52,837.22 1793.52,962.22 1793.52,1378.52 1898.52,1483.52 1898.52,1823.52 1953.52,1878.52 2113.52,1878.52 U4.6 ; v1(2768.52,883.52) 2938.52,883.52 2993.52,938.52 Amp.1
  Bottom Layer w10: R21.2@868.52,935.17 868.52,873.52 978.52,763.52 1065.76,763.52 1185.76,883.52 v1(2768.52,883.52)
NetC1_1: C1.1 C2.1 C3.2 Fq.1 U2.6 | length 2823.8
  Top Layer w10: C3.2 1197.73,1681.47 C2.1@1197.73,1808.52 ; v1(2038.52,1418.52) 2103.52,1418.52 U2.6
  Bottom Layer w10: C2.1@1197.73,1808.52 1231.35,1774.9 1363.32,1774.9 C1.1 ; C1.1@1411.94,1808.52 1476.94,1743.52 1476.94,1453.52 1511.94,1418.52 2294.73,1418.52 2473.52,1597.31 2473.52,1738.52 2743.52,2008.52 Fq.1
NetC4_1: C4.1 C5.1 C6.2 R27.2 R28.1 U5.2 | length 2642.2
  Top Layer w10: C5.1 1442.14,1490.69 1442.14,1392.93 C4.1 ; R27.2@1463.52,605.09 1508.52,650.09 1508.52,1163.52 U5.2
  Bottom Layer w10: C6.2 1309.94,1554.31 C5.1 ; C4.1 1509.31,1208.52 U5.2 ; R27.2 1505.09,610.09 1629.52,734.52 2486.09,734.52 R28.1
NetDC_2: DC.2 R20.2 | length 3510.7
  Top Layer w10: R20.2 1036.94,605.09 1127.04,515 3075,515 3268.52,708.52 3268.52,1543.52 DC.2
NetQ1_1: Q1.1 Q2.1 U5.7 | length 3232.2
  Bottom Layer w25: U5.7 1921.48,1208.52 1982.5,1147.5 3132.5,1147.5 3196.52,1211.52 ; Q1.1 2588.52,1763.52 2688.52,1863.52 3143.52,1863.52 3196.52,1810.52 3196.52,1211.52 ; Q2.1@3078.91,762.44 3196.52,880.04 3196.52,1211.52
NetQ3_2: Q3.2 R26.1 | length 432
  Top Layer w10: Q3.2 1118.52,1083.52 1228.52,973.52 1228.52,856.94 R26.1
NetQ3_3: Q3.3 Q6.2 Q7.2 R25.2 | length 1672.8
  Top Layer w10: Q7.2 1234.37,1185 Q3.3 1248.52,1039.15 1248.52,738.52 1438.52,548.52 1818.52,548.52 1852.69,582.69 1852.69,584.72 1869.49,601.52 R25.2@1871.52,601.52
  Bottom Layer w10: Q6.2 886.52,1098.52 886.52,1079.52 1128.89,1079.52 Q3.3
NetQ4_1: Q4.1 Q5.1 U1.1 | length 1406.6
  Top Layer w15: U1.1@1444.73,405.42 1446.62,405.42 1468.05,383.99 1468.05,382.1 1665.14,185 1885.79,185 Q5.1 ; Q5.1@1953.91,282.44 2051.35,185 2565.79,185 2619.54,238.76 2619.54,243.07 Q4.1@2653.91,277.44
NetQ6_1: Q6.1 Q7.1 R25.1 | length 1708.6
  Top Layer w10: Q7.1@1303.52,1148.52 1303.52,1145.78 1268.52,1110.78 1268.52,743.94 1448.94,563.52 1743.52,563.52 1863.52,683.52 R25.1
  Bottom Layer w10: Q6.1 1013.52,1238.52 1191.48,1238.52 Q7.1
NetQ6_3: Q6.3 R4.1 U3.3 | length 2064.8
  Top Layer w10: Q6.3 823.52,1058.52 903.52,978.52 903.52,848.52 1111.02,641.02 v1@1253.52,641.02 ; U3.3 1573.52,1593.52 1663.52,1503.52 1663.52,886.95 R4.1@1573.52,796.95
  Bottom Layer w10: v1@1253.52,641.02 1369.08,641.02 1525.01,796.95 R4.1@1573.52,796.95
  other v1: 1253.52,643.52
NetR1_1: R1.1 R2.1 U2.3 | length 1500.7
  Top Layer w10: U2.3 2208.52,966.52 2338.52,836.52 2338.52,738.52 2291.87,691.87 2291.87,613.45 R1.1 2288.72,609.89 2288.72,578.31 2303.52,563.52 2593.52,563.52 2665,635 2665,1161.57 R2.1
NetR3_1: R3.1 R6.2 U3.2 | length 1449.4
  Top Layer w10: U3.2 1698.52,1528.52 R3.1@1698.52,811.95
  Bottom Layer w10: R6.2@1298.52,610.09 1365.09,610.09 1509.52,754.52 1671.09,754.52 R3.1
NetR19_1: R19.1 R20.1 U4.5 | length 2497.9
  Top Layer w10: U4.5 2433.52,1658.52 2433.52,923.52 v1@2438.52,918.52
  Bottom Layer w10: R20.1 1032.15,805.58 1032.15,839.31 1173.08,980.23 1330.58,980.23 1359.65,951.16 1369.31,951.16 1416.94,903.52 2418.52,903.52 v1(2433.52,918.52)
NetR23_1: R23.1 R24.2 U1.3 | length 863.3
  Top Layer w10: R23.1@668.52,795.96 675.96,788.52 830.96,788.52 R24.2 838.52,633.52 1113.52,358.52 1193.52,358.52 U1.3
NetR33_1: R33.1 R34.2 U4.2 | length 1239.9
  Top Layer w10: U4.2 1963.52,1398.52 1963.52,861.95 2033.52,791.95 1978.52,736.95 1978.52,583.52 2003.52,558.52 2126.95,558.52 R34.2@2163.52,595.09
Output: Q1.3 Q2.3 U5.6 VO.1 | length 2529.6
  Top Layer w25: Q1.3 2588.52,978.52 2612.04,955 v1(2622.04,955)
  Bottom Layer w25: U5.6 1847,1102 1817,1102 1795,1080 1795,985 1825,955 2792.04,955 2878.12,868.91 Q2.3@2878.12,762.44 ; Q1.3@2586.29,1486.29 2685.52,1585.52 3039.95,1585.52 VO.1
  other v1: 2580,955
Output1: R19.2 WS.2 | length 2693.4
  Top Layer w10: R19.2 1190.09,941.95 798.52,1333.52 798.52,2135.95 900.09,2237.52 1867.39,2237.52 WS.2
Output2: Amp.2 U4.7 U5.5 | length 2171.9
  Top Layer w10: U5.5 1853.52,1011.02 1925,1082.5 v1(1925,1145) 1925,1660 U4.7
  Bottom Layer w10: v1(1925,1085) v1(1925,1145) 1945,1125 3023.54,1125 3088.45,1060.09 3091.94,1060.09 Amp.2
PWM/Square: U2.5 WS.1 | length 1213.2
  Top Layer w10: WS.1 1981.59,2024.9 2152.14,2024.9 2473.52,1703.52 v1(2473.52,1398.52)
  Bottom Layer w10: U2.5 2388.52,1313.52 v1(2473.52,1398.52)
"Saw Tooth": R6.1 U3.1 WS.7 | length 2215.3
  Top Layer w10: R6.1@1298.52,806.95 1351.94,806.95 1446.87,901.87 1446.87,1258.58 1488.52,1300.23 1488.52,1748.52 U3.1
  Bottom Layer w10: U3.1 1663.52,1923.52 2353.52,1923.52 WS.7
Sin: C9.1 WS.8 | length 2885.3
  Bottom Layer w10: C9.1 633.52,1624.78 633.52,1972.52 926.52,2265.52 2429.95,2265.52 WS.8
"Sin 0.5k-20": C6.1 FS.8 | length 1168.9
  Top Layer w10: C6.1 1347.89,1243.52 1403.52,1243.52 1462.14,1302.14 1462.14,1802.41 1602.22,1942.49 FS.8@1602.22,2083.52
"Sin 1.2k-0.5k": C5.2 FS.7 | length 481.3
  Top Layer w10: C5.2 1378.52,1685.63 1442.14,1749.25 1442.14,2025.29 FS.7
"Sin 20k-1.2k": C4.2 FS.6 | length 766.9
  Top Layer w10: C4.2 1258.52,1557.73 1258.52,1948.52 1393.52,2083.52 FS.6
"Sin Filter": C7.1 C8.2 C9.2 FS.2 R27.1 U5.1 | length 1958.5
  Top Layer w10: C8.2 967.89,1807.58 C7.1 967.89,1488.15 968.52,1487.52 C9.2 ; C8.2@976.94,1808.52 976.94,2052.22 FS.2 ; FS.2@999.96,2091.81 FS.2@1011.67,2103.52 ; R27.1@1463.52,801.95 1488.52,826.95 1488.52,1243.52 U5.1
  Bottom Layer w10: C9.2 1035.52,1301.52 1272.52,1301.52 1344.52,1373.52 1488.52,1373.52 U5.1
Square: Fq.2 R1.2 R33.2 U2.1 U3.5 | length 5232.8
  Top Layer w10: U2.1 2071.52,950.52 ; R33.2@2013.29,603.29 2071.52,661.52 2071.52,950.52 ; Fq.2 2833.72,2027.15 2833.72,1708.32 2903.72,1638.32 3123.72,1638.32 3202.57,1559.47 3202.57,682.57 3053.52,533.52 2274.1,533.52 2250,557.62 2250,710 2288.52,748.52 R1.2 2288.52,843.52 2181.52,950.52 2071.52,950.52
  Bottom Layer w10: U3.5 1868.52,1458.52 2313.52,1458.52 2453.52,1598.52 2453.52,1739.73 2737.31,2023.52 2820.73,2106.95 Fq.2
"Square Out": R34.1 U4.1 WS.5 | length 2540.4
  Top Layer w10: U4.1 1953.99,1488.99 1953.52,1488.99 1947.66,1483.13 1947.66,584.38 2001.02,531.02 2156.02,531.02 2210.66,585.66 2210.66,759.8 R34.1 ; WS.5 2316.67,1930.37 v1(2428.52,1818.52)
  Bottom Layer w10: U4.1 2018.52,1473.52 2303.52,1473.52 2428.52,1598.52 v1(2428.52,1818.52)
Triangle: FS.1 R2.2 R3.2 R4.2 R28.2 U2.7 WS.6 | length 4622.9
  Top Layer w10: WS.6 2508.52,1990.09 2508.52,1384.02 2505.09,1380.6 R2.2 2470,1163.43 2470,698.61 R28.2
  Bottom Layer w10: FS.1@913.24,2103.52 973.24,2163.52 2335.09,2163.52 WS.6 ; R4.2@1573.52,600.09 1710.09,600.09 1798.52,688.52 2480.09,688.52 R28.2 ; U2.7 2168.52,1253.52 2450.09,1253.52 R2.2
Vin+: C14.1 IC1.1 Power.1 Q4.2 R23.2 U1.8 | length 3370.6
  Top Layer w25: IC1.1 350,415 604.6,415 668.52,351.08 802.63,216.97 802.63,170.04 C14.1 817.24,155.43 821.61,155.43 918.52,58.52 1393.52,58.52 U1.8 ; U1.8@1443.52,103.69 2693.69,103.69 2819.88,229.88 2832.16,229.88 ; Q4.2@2553.52,277.44 2563.8,287.72 2563.8,318.8 2598.52,353.52 2708.52,353.52 2832.16,229.88 ; Power.1 2832.16,229.88
Vin-: C15.2 IC2.2 Power.2 Q5.2 R24.1 U1.4 | length 3604
  Top Layer w25: IC2.2 395,984.75 413.88,965.87 C15.2@413.88,958.52 ; C15.2 414.15,760.45 R24.1 ; U1.4 1150.04,415.04 1150.04,444.09 1190.94,485 1645.96,485 Q5.2@1853.52,277.44
  Bottom Layer w25: R24.1 1071.08,336.08 U1.4 ; Q5.2 1860.68,239.72 1860.68,204.22 1879.9,185 2700,185 2843.3,328.31 Power.2
pads on no net: U1.5 U1.6 U1.7

## Polygon pours and split planes (outlines as drawn)
GND on Top Layer "GND_L01_P007" (solid, pour order 7): 156.48,3.52 3.52,156.48 3.52,2183.52 138.52,2318.52 3236.48,2318.52 3380,2175 3380,155 3228.52,3.52

## Other copper
Top Layer:
  region net NetQ3_3: 1168.52,1119.15 1234.37,1185 1234.37,1055.63 1170.85,1119.15
  region net Output: 2588.52,998.52 2563.52,973.52 2563.52,940 2635,940 2635,962.04 2588.52,1008.52
  region net +VCC: 1731.85,893.69 1792.02,833.52 1731.85,833.52
  region net -VCC: 528.52,458.52 513.52,473.52 513.52,528.52 528.52,543.52 578.52,543.52 593.52,528.52 593.52,473.52 578.52,458.52
  region net NetR23_1: 665.91,792.38 838.52,627.61 838.52,783.52 843.52,788.52
  region net NetQ4_1: 1852.7,180 2051.35,180 2051.35,185.93 1982.28,255 1972.28,245 1922.28,245
  region net Vin+: 2718.52,345.3 2718.52,112.07 2827.16,220.71 2827.16,236.66
  region net Square: 1978.52,995.52 1978.52,918.52 2071.02,826.02 2118.52,873.52 2258.52,873.52 2181.52,950.52 2085.52,950.52 2083.52,948.52 2033.52,998.52 2033.52,1028.52
Bottom Layer:
  region net Output2: 1925,1155 1960,1120 1925,1085 1920,1090 1920,1155
  region net +VCC: 1874.17,1309.17 1799.81,1383.52 1733.52,1383.52 1733.52,1243.52 1808.52,1243.52
  region net -VCC: 528.52,543.52 578.52,543.52 593.52,528.52 593.52,473.52 578.52,458.52 528.52,458.52 513.52,473.52 513.52,528.52
  region net GND: 653.52,1968.52 893.52,1968.52 893.52,1783.52 673.52,1783.52 648.52,1808.52
  region net -VCC: 194.77,1044.77 748.51,1044.77 751.87,1048.13 505,1295 460,1295 380,1215 365,1215
  region net +VCC: 287.21,659.63 468.52,478.32 468.52,624.31 548.52,704.31 548.52,904.48
  region net NetC1_1: 1361.02,1771.02 1473.52,1658.52 1478.52,1658.52 1478.52,1741.95 1405.23,1815.23
  region net NetQ1_1: 3043.52,1138.52 3198.52,1293.52 3198.52,1033.52 3103.52,1128.52 3048.52,1128.52

## Silkscreen, mask and mechanical layers (free items; w line width, h text height)
Top Overlay:
  drawing of 53 lines, arcs and shapes, not listed
  text "FunctionGen" at 60,2000 h60
Mechanical 13:
  the board outline again, w10

## Text inside footprints (layer, text, board x,y; h text height)
C3: Top Overlay "+" at 1310,1635 h40 r180
C6: Top Overlay "+" at 1320,1405 h59.06 r180
C7: Top Overlay "+" at 1060,1625 h40 r180
C9: Top Overlay "+" at 775.29,1339.5 h59.06
C14: Top Overlay "+" at 783.52,83.52 h59.06
C15: Top Overlay "+" at 607.38,987.53 h59.06 r180
C16: Top Overlay "+" at 553.52,88.52 h59.06
C17: Top Overlay "+" at 333.01,1002.53 h59.06 r180